# Altium PCB OMD_60V_REF_2.PcbDoc (part 4 of 6)
Units mm, origin at the board's own origin, x right, y up, seen from the top; angles counter-clockwise.
Board outline 71.95 x 71.94 mm, 6 copper layers (Top Layer, L2, L3, L4, L5, Bottom Layer), stack 2.309 mm thick; 139 components, 113 nets, 809 pads, 9892 vias.
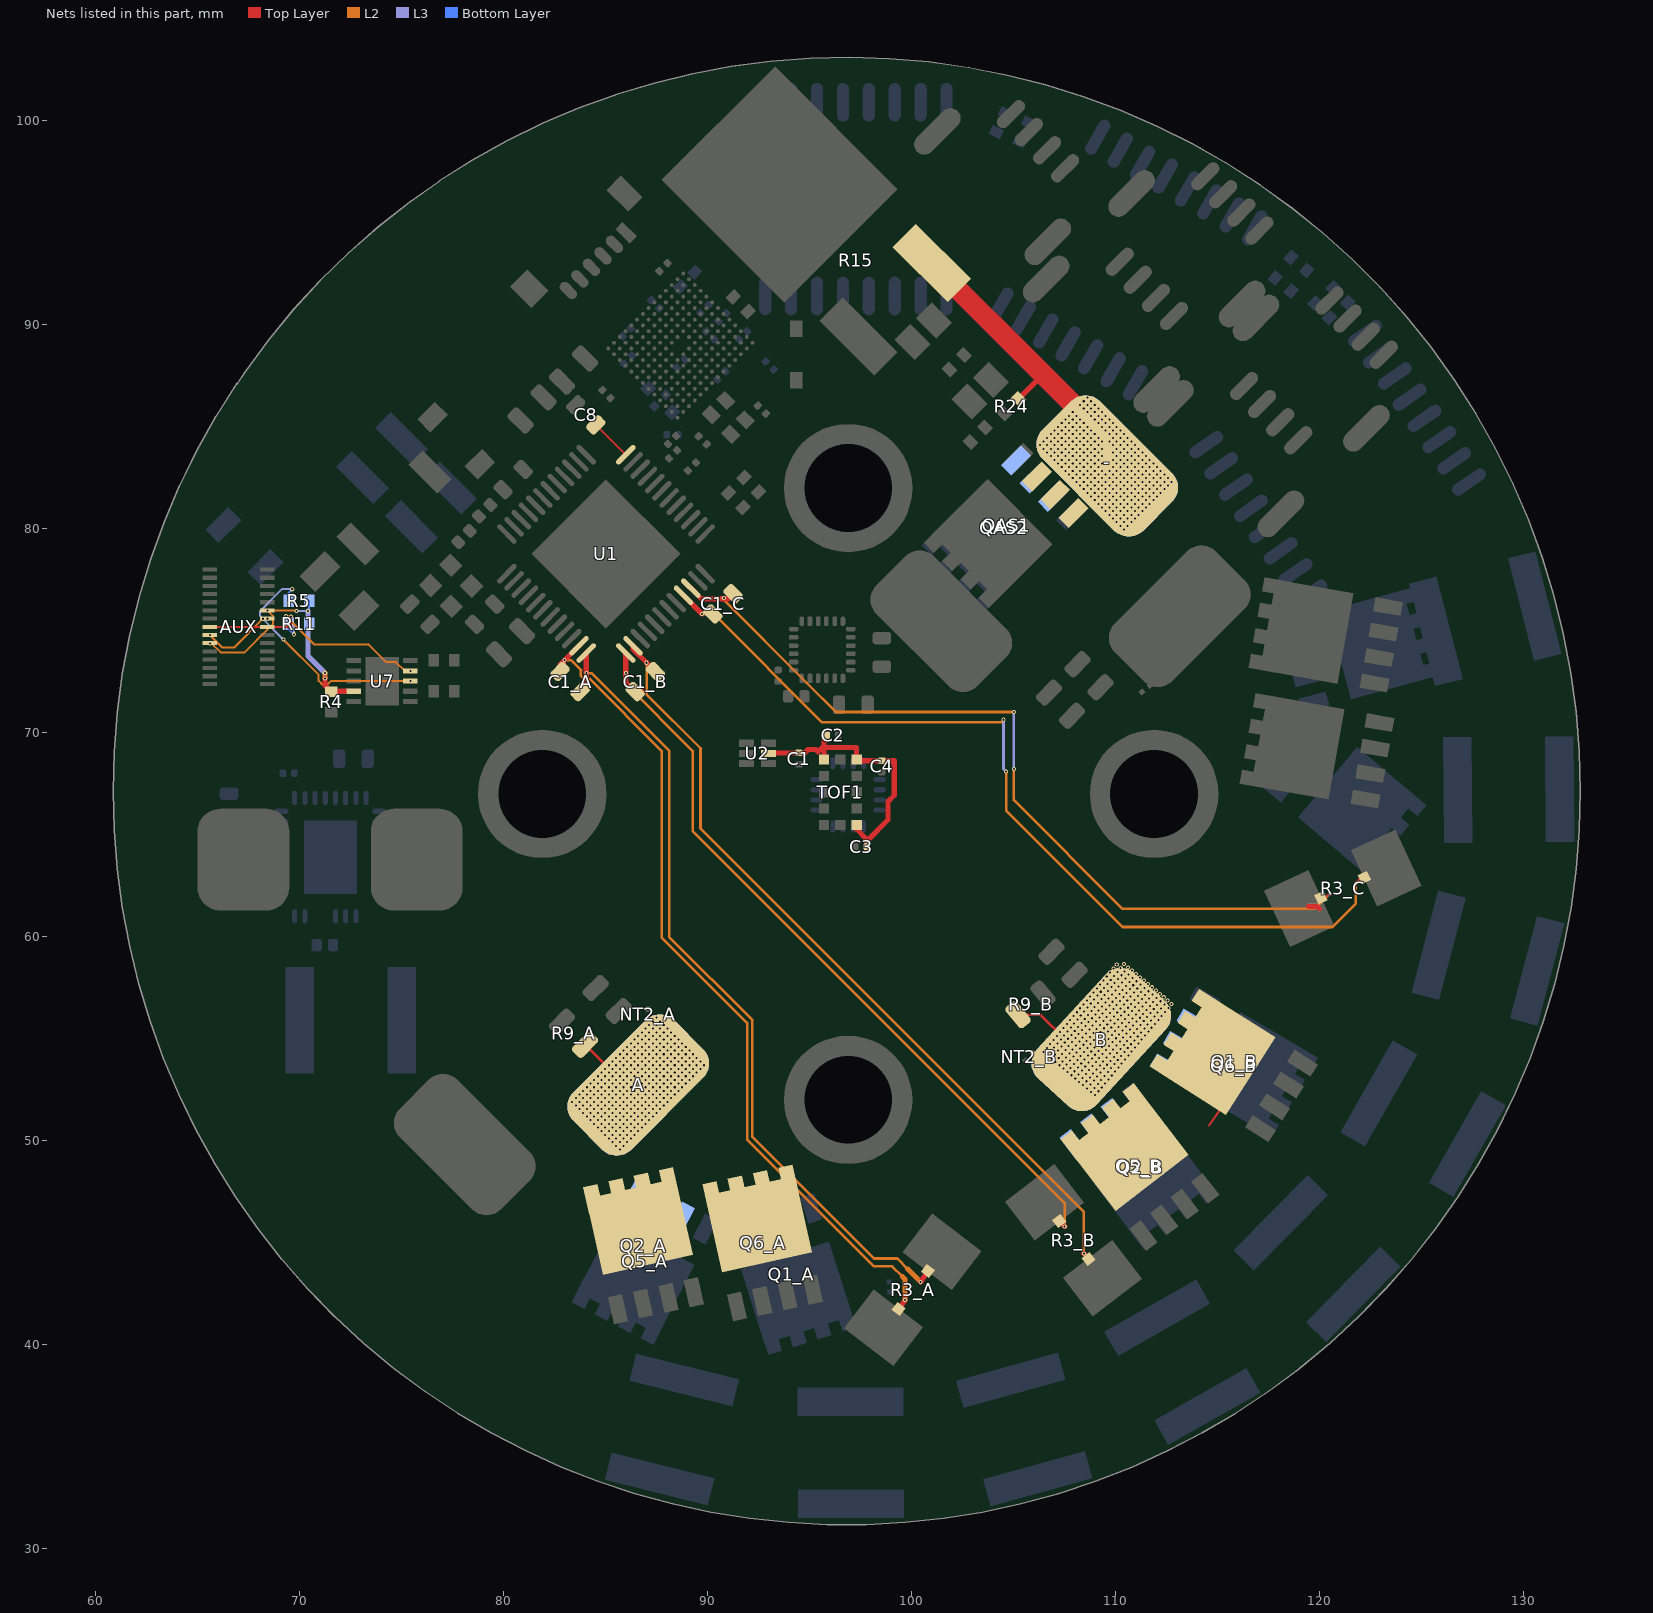
[diagram p8: the nets of this part, all layers, seen from the top]

## Via types
v1: diameter 0.2, hole 0.1, Top Layer to L2, tented both sides, 3354 vias
v2: diameter 0.2, hole 0.1, L2 to L3, tented both sides, 3246 vias
v3: diameter 0.2, hole 0.1, L3 to Bottom Layer, tented both sides, 3236 vias
v4: diameter 0.2, hole 0.1, L2 to L3, 40 vias
v5: diameter 0.2, hole 0.1, L3 to Bottom Layer, 8 vias
v6: diameter 0.2, hole 0.1, Top Layer to L2, 6 vias
v7: diameter 0.2, hole 0.1, Top Layer to L3, 2 vias

## Nets (pads, with @x,y where several pads share a name; then routed paths per layer and width w, separated by ;. In a path a pad name is that pad's centre, name@x,y a point inside that pad or via, vN(x,y) a via of type N, cw(c..) or ccw(c..) an arc to the next point about the centre after c; other vN are vias at no path point) (continued)
Net-_1: -.1 QAS1.S QAS2.S R15.3 R24.2 | length 15.2
  Top Layer w0.254: R24.2@105.261,86.338 106.462,87.539 ; -.1@109.601,83.058 -.1@109.601,84.4
  Top Layer w1: R15.3@101.001,93 106.462,87.539 -.1@109.601,84.4
  other v1: 110.43,79.943 110.25,80.123 110.61,80.123 110.071,80.302 110.43,80.302 110.789,80.302 109.891,80.482 110.25,80.482 110.61,80.482 110.969,80.482 109.711,80.662 110.071,80.662 110.43,80.662 110.789,80.662 111.148,80.662 109.532,80.841 109.891,80.841 110.25,80.841 110.61,80.841 110.969,80.841 111.328,80.841 109.352,81.021 109.711,81.021 110.071,81.021 110.43,81.021 110.789,81.021 111.148,81.021 111.508,81.021 109.173,81.2 109.532,81.2 109.891,81.2 110.25,81.2 110.61,81.2 110.969,81.2 111.328,81.2 111.687,81.2 108.993,81.38 109.352,81.38 109.711,81.38 110.071,81.38 110.43,81.38 110.789,81.38 111.148,81.38 111.508,81.38 111.867,81.38 108.813,81.56 109.173,81.56 109.532,81.56 109.891,81.56 110.25,81.56 110.61,81.56 110.969,81.56 111.328,81.56 111.687,81.56 112.046,81.56 108.634,81.739 108.993,81.739 109.352,81.739 109.711,81.739 110.071,81.739 110.43,81.739 110.789,81.739 111.148,81.739 111.508,81.739 111.867,81.739 112.226,81.739 108.454,81.919 108.813,81.919 109.173,81.919 109.532,81.919 109.891,81.919 110.25,81.919 110.61,81.919 110.969,81.919 111.328,81.919 111.687,81.919 112.046,81.919 112.406,81.919 108.275,82.098 108.634,82.098 108.993,82.098 109.352,82.098 109.711,82.098 110.071,82.098 110.43,82.098 110.789,82.098 111.148,82.098 111.508,82.098 111.867,82.098 112.226,82.098 112.585,82.098 108.095,82.278 108.454,82.278 108.813,82.278 109.173,82.278 109.532,82.278 109.891,82.278 110.25,82.278 110.61,82.278 110.969,82.278 111.328,82.278 111.687,82.278 112.046,82.278 112.406,82.278 112.765,82.278 107.915,82.458 108.275,82.458 108.634,82.458 108.993,82.458 109.352,82.458 109.711,82.458 110.071,82.458 110.43,82.458 110.789,82.458 111.148,82.458 111.508,82.458 111.867,82.458 112.226,82.458 112.585,82.458 107.736,82.637 108.095,82.637 108.454,82.637 108.813,82.637 109.173,82.637 109.532,82.637 109.891,82.637 110.25,82.637 110.61,82.637 110.969,82.637 111.328,82.637 111.687,82.637 112.046,82.637 112.406,82.637 107.556,82.817 107.915,82.817 108.275,82.817 108.634,82.817 108.993,82.817 109.352,82.817 109.711,82.817 110.071,82.817 110.43,82.817 110.789,82.817 111.148,82.817 111.508,82.817 111.867,82.817 112.226,82.817 107.377,82.996 107.736,82.996 108.095,82.996 108.454,82.996 108.813,82.996 109.173,82.996 109.891,82.996 110.25,82.996 110.61,82.996 110.969,82.996 111.328,82.996 111.687,82.996 112.046,82.996 107.197,83.176 107.556,83.176 107.915,83.176 108.275,83.176 108.634,83.176 108.993,83.176 109.352,83.176 110.071,83.176 110.43,83.176 110.789,83.176 111.148,83.176 111.508,83.176 111.867,83.176 107.017,83.356 107.377,83.356 107.736,83.356 108.095,83.356 108.454,83.356 108.813,83.356 109.173,83.356 109.891,83.356 110.25,83.356 110.61,83.356 110.969,83.356 111.328,83.356 111.687,83.356 106.838,83.535 107.197,83.535 107.556,83.535 107.915,83.535 108.275,83.535 108.634,83.535 108.993,83.535 109.352,83.535 110.071,83.535 110.43,83.535 110.789,83.535 111.148,83.535 111.508,83.535 106.658,83.715 107.017,83.715 107.377,83.715 107.736,83.715 108.095,83.715 108.454,83.715 108.813,83.715 109.173,83.715 109.891,83.715 110.25,83.715 110.61,83.715 110.969,83.715 111.328,83.715 106.479,83.894 106.838,83.894 107.197,83.894 107.556,83.894 107.915,83.894 108.275,83.894 108.634,83.894 108.993,83.894 109.352,83.894 110.071,83.894 110.43,83.894 110.789,83.894 111.148,83.894 106.299,84.074 106.658,84.074 107.017,84.074 107.377,84.074 107.736,84.074 108.095,84.074 108.454,84.074 108.813,84.074 109.173,84.074 109.891,84.074 110.25,84.074 110.61,84.074 110.969,84.074 106.479,84.254 106.838,84.254 107.197,84.254 107.556,84.254 107.915,84.254 108.275,84.254 108.634,84.254 108.993,84.254 109.352,84.254 109.711,84.254 110.071,84.254 110.43,84.254 110.789,84.254 106.658,84.433 107.017,84.433 107.377,84.433 107.736,84.433 108.095,84.433 108.454,84.433 108.813,84.433 109.173,84.433 109.891,84.433 110.25,84.433 110.61,84.433 106.838,84.613 107.197,84.613 107.556,84.613 107.915,84.613 108.275,84.613 108.634,84.613 108.993,84.613 109.711,84.613 110.071,84.613 110.43,84.613 107.017,84.792 107.377,84.792 107.736,84.792 108.095,84.792 108.454,84.792 108.813,84.792 109.532,84.792 109.891,84.792 110.25,84.792 107.197,84.972 107.556,84.972 107.915,84.972 108.275,84.972 108.634,84.972 109.352,84.972 109.711,84.972 110.071,84.972 107.377,85.152 107.736,85.152 108.095,85.152 108.454,85.152 109.173,85.152 109.532,85.152 109.891,85.152 107.556,85.331 107.915,85.331 108.275,85.331 108.993,85.331 109.352,85.331 109.711,85.331 107.736,85.511 108.095,85.511 108.813,85.511 109.173,85.511 109.532,85.511 107.915,85.69 108.634,85.69 108.993,85.69 109.352,85.69 108.454,85.87 108.813,85.87 109.173,85.87 108.275,86.05 108.634,86.05 108.993,86.05 108.454,86.229 108.813,86.229 108.634,86.409
  other v2: 110.43,79.943 110.25,80.123 110.61,80.123 110.071,80.302 110.43,80.302 110.789,80.302 109.891,80.482 110.25,80.482 110.61,80.482 110.969,80.482 109.711,80.662 110.071,80.662 110.43,80.662 110.789,80.662 111.148,80.662 109.532,80.841 109.891,80.841 110.25,80.841 110.61,80.841 110.969,80.841 111.328,80.841 109.352,81.021 109.711,81.021 110.071,81.021 110.43,81.021 110.789,81.021 111.148,81.021 111.508,81.021 109.173,81.2 109.532,81.2 109.891,81.2 110.25,81.2 110.61,81.2 110.969,81.2 111.328,81.2 111.687,81.2 108.993,81.38 109.352,81.38 109.711,81.38 110.071,81.38 110.43,81.38 110.789,81.38 111.148,81.38 111.508,81.38 111.867,81.38 108.813,81.56 109.173,81.56 109.532,81.56 109.891,81.56 110.25,81.56 110.61,81.56 110.969,81.56 111.328,81.56 111.687,81.56 112.046,81.56 108.634,81.739 108.993,81.739 109.352,81.739 109.711,81.739 110.071,81.739 110.43,81.739 110.789,81.739 111.148,81.739 111.508,81.739 111.867,81.739 112.226,81.739 108.454,81.919 108.813,81.919 109.173,81.919 109.532,81.919 109.891,81.919 110.25,81.919 110.61,81.919 110.969,81.919 111.328,81.919 111.687,81.919 112.046,81.919 112.406,81.919 108.275,82.098 108.634,82.098 108.993,82.098 109.352,82.098 109.711,82.098 110.071,82.098 110.43,82.098 110.789,82.098 111.148,82.098 111.508,82.098 111.867,82.098 112.226,82.098 112.585,82.098 108.095,82.278 108.454,82.278 108.813,82.278 109.173,82.278 109.532,82.278 109.891,82.278 110.25,82.278 110.61,82.278 110.969,82.278 111.328,82.278 111.687,82.278 112.046,82.278 112.406,82.278 112.765,82.278 107.915,82.458 108.275,82.458 108.634,82.458 108.993,82.458 109.352,82.458 109.711,82.458 110.071,82.458 110.43,82.458 110.789,82.458 111.148,82.458 111.508,82.458 111.867,82.458 112.226,82.458 112.585,82.458 107.736,82.637 108.095,82.637 108.454,82.637 108.813,82.637 109.173,82.637 109.532,82.637 109.891,82.637 110.25,82.637 110.61,82.637 110.969,82.637 111.328,82.637 111.687,82.637 112.046,82.637 112.406,82.637 107.556,82.817 107.915,82.817 108.275,82.817 108.634,82.817 108.993,82.817 109.352,82.817 109.711,82.817 110.071,82.817 110.43,82.817 110.789,82.817 111.148,82.817 111.508,82.817 111.867,82.817 112.226,82.817 107.377,82.996 107.736,82.996 108.095,82.996 108.454,82.996 108.813,82.996 109.173,82.996 109.891,82.996 110.25,82.996 110.61,82.996 110.969,82.996 111.328,82.996 111.687,82.996 112.046,82.996 107.197,83.176 107.556,83.176 107.915,83.176 108.275,83.176 108.634,83.176 108.993,83.176 109.352,83.176 110.071,83.176 110.43,83.176 110.789,83.176 111.148,83.176 111.508,83.176 111.867,83.176 107.017,83.356 107.377,83.356 107.736,83.356 108.095,83.356 108.454,83.356 108.813,83.356 109.173,83.356 109.891,83.356 110.25,83.356 110.61,83.356 110.969,83.356 111.328,83.356 111.687,83.356 106.838,83.535 107.197,83.535 107.556,83.535 107.915,83.535 108.275,83.535 108.634,83.535 108.993,83.535 109.352,83.535 110.071,83.535 110.43,83.535 110.789,83.535 111.148,83.535 111.508,83.535 106.658,83.715 107.017,83.715 107.377,83.715 107.736,83.715 108.095,83.715 108.454,83.715 108.813,83.715 109.173,83.715 109.891,83.715 110.25,83.715 110.61,83.715 110.969,83.715 111.328,83.715 106.479,83.894 106.838,83.894 107.197,83.894 107.556,83.894 107.915,83.894 108.275,83.894 108.634,83.894 108.993,83.894 109.352,83.894 110.071,83.894 110.43,83.894 110.789,83.894 111.148,83.894 106.299,84.074 106.658,84.074 107.017,84.074 107.377,84.074 107.736,84.074 108.095,84.074 108.454,84.074 108.813,84.074 109.173,84.074 109.891,84.074 110.25,84.074 110.61,84.074 110.969,84.074 106.479,84.254 106.838,84.254 107.197,84.254 107.556,84.254 107.915,84.254 108.275,84.254 108.634,84.254 108.993,84.254 109.352,84.254 109.711,84.254 110.071,84.254 110.43,84.254 110.789,84.254 106.658,84.433 107.017,84.433 107.377,84.433 107.736,84.433 108.095,84.433 108.454,84.433 108.813,84.433 109.173,84.433 109.891,84.433 110.25,84.433 110.61,84.433 106.838,84.613 107.197,84.613 107.556,84.613 107.915,84.613 108.275,84.613 108.634,84.613 108.993,84.613 109.711,84.613 110.071,84.613 110.43,84.613 107.017,84.792 107.377,84.792 107.736,84.792 108.095,84.792 108.454,84.792 108.813,84.792 109.532,84.792 109.891,84.792 110.25,84.792 107.197,84.972 107.556,84.972 107.915,84.972 108.275,84.972 108.634,84.972 109.352,84.972 109.711,84.972 110.071,84.972 107.377,85.152 107.736,85.152 108.095,85.152 108.454,85.152 109.173,85.152 109.532,85.152 109.891,85.152 107.556,85.331 107.915,85.331 108.275,85.331 108.993,85.331 109.352,85.331 109.711,85.331 107.736,85.511 108.095,85.511 108.813,85.511 109.173,85.511 109.532,85.511 107.915,85.69 108.634,85.69 108.993,85.69 109.352,85.69 108.454,85.87 108.813,85.87 109.173,85.87 108.275,86.05 108.634,86.05 108.993,86.05 108.454,86.229 108.813,86.229 108.634,86.409
  other v3: 110.43,79.943 110.25,80.123 110.61,80.123 110.071,80.302 110.43,80.302 110.789,80.302 109.891,80.482 110.25,80.482 110.61,80.482 110.969,80.482 109.711,80.662 110.071,80.662 110.43,80.662 110.789,80.662 111.148,80.662 109.532,80.841 109.891,80.841 110.25,80.841 110.61,80.841 110.969,80.841 111.328,80.841 109.352,81.021 109.711,81.021 110.071,81.021 110.43,81.021 110.789,81.021 111.148,81.021 111.508,81.021 109.173,81.2 109.532,81.2 109.891,81.2 110.25,81.2 110.61,81.2 110.969,81.2 111.328,81.2 111.687,81.2 108.993,81.38 109.352,81.38 109.711,81.38 110.071,81.38 110.43,81.38 110.789,81.38 111.148,81.38 111.508,81.38 111.867,81.38 108.813,81.56 109.173,81.56 109.532,81.56 109.891,81.56 110.25,81.56 110.61,81.56 110.969,81.56 111.328,81.56 111.687,81.56 112.046,81.56 108.634,81.739 108.993,81.739 109.352,81.739 109.711,81.739 110.071,81.739 110.43,81.739 110.789,81.739 111.148,81.739 111.508,81.739 111.867,81.739 112.226,81.739 108.454,81.919 108.813,81.919 109.173,81.919 109.532,81.919 109.891,81.919 110.25,81.919 110.61,81.919 110.969,81.919 111.328,81.919 111.687,81.919 112.046,81.919 112.406,81.919 108.275,82.098 108.634,82.098 108.993,82.098 109.352,82.098 109.711,82.098 110.071,82.098 110.43,82.098 110.789,82.098 111.148,82.098 111.508,82.098 111.867,82.098 112.226,82.098 112.585,82.098 108.095,82.278 108.454,82.278 108.813,82.278 109.173,82.278 109.532,82.278 109.891,82.278 110.25,82.278 110.61,82.278 110.969,82.278 111.328,82.278 111.687,82.278 112.046,82.278 112.406,82.278 112.765,82.278 107.915,82.458 108.275,82.458 108.634,82.458 108.993,82.458 109.352,82.458 109.711,82.458 110.071,82.458 110.43,82.458 110.789,82.458 111.148,82.458 111.508,82.458 111.867,82.458 112.226,82.458 112.585,82.458 107.736,82.637 108.095,82.637 108.454,82.637 108.813,82.637 109.173,82.637 109.532,82.637 109.891,82.637 110.25,82.637 110.61,82.637 110.969,82.637 111.328,82.637 111.687,82.637 112.046,82.637 112.406,82.637 107.556,82.817 107.915,82.817 108.275,82.817 108.634,82.817 108.993,82.817 109.352,82.817 109.711,82.817 110.071,82.817 110.43,82.817 110.789,82.817 111.148,82.817 111.508,82.817 111.867,82.817 112.226,82.817 107.377,82.996 107.736,82.996 108.095,82.996 108.454,82.996 108.813,82.996 109.173,82.996 109.891,82.996 110.25,82.996 110.61,82.996 110.969,82.996 111.328,82.996 111.687,82.996 112.046,82.996 107.197,83.176 107.556,83.176 107.915,83.176 108.275,83.176 108.634,83.176 108.993,83.176 109.352,83.176 110.071,83.176 110.43,83.176 110.789,83.176 111.148,83.176 111.508,83.176 111.867,83.176 107.017,83.356 107.377,83.356 107.736,83.356 108.095,83.356 108.454,83.356 108.813,83.356 109.173,83.356 109.891,83.356 110.25,83.356 110.61,83.356 110.969,83.356 111.328,83.356 111.687,83.356 106.838,83.535 107.197,83.535 107.556,83.535 107.915,83.535 108.275,83.535 108.634,83.535 108.993,83.535 109.352,83.535 110.071,83.535 110.43,83.535 110.789,83.535 111.148,83.535 111.508,83.535 106.658,83.715 107.017,83.715 107.377,83.715 107.736,83.715 108.095,83.715 108.454,83.715 108.813,83.715 109.173,83.715 109.891,83.715 110.25,83.715 110.61,83.715 110.969,83.715 111.328,83.715 106.479,83.894 106.838,83.894 107.197,83.894 107.556,83.894 107.915,83.894 108.275,83.894 108.634,83.894 108.993,83.894 109.352,83.894 110.071,83.894 110.43,83.894 110.789,83.894 111.148,83.894 106.299,84.074 106.658,84.074 107.017,84.074 107.377,84.074 107.736,84.074 108.095,84.074 108.454,84.074 108.813,84.074 109.173,84.074 109.891,84.074 110.25,84.074 110.61,84.074 110.969,84.074 106.479,84.254 106.838,84.254 107.197,84.254 107.556,84.254 107.915,84.254 108.275,84.254 108.634,84.254 108.993,84.254 109.352,84.254 109.711,84.254 110.071,84.254 110.43,84.254 110.789,84.254 106.658,84.433 107.017,84.433 107.377,84.433 107.736,84.433 108.095,84.433 108.454,84.433 108.813,84.433 109.173,84.433 109.891,84.433 110.25,84.433 110.61,84.433 106.838,84.613 107.197,84.613 107.556,84.613 107.915,84.613 108.275,84.613 108.634,84.613 108.993,84.613 109.711,84.613 110.071,84.613 110.43,84.613 107.017,84.792 107.377,84.792 107.736,84.792 108.095,84.792 108.454,84.792 108.813,84.792 109.532,84.792 109.891,84.792 110.25,84.792 107.197,84.972 107.556,84.972 107.915,84.972 108.275,84.972 108.634,84.972 109.352,84.972 109.711,84.972 110.071,84.972 107.377,85.152 107.736,85.152 108.095,85.152 108.454,85.152 109.173,85.152 109.532,85.152 109.891,85.152 107.556,85.331 107.915,85.331 108.275,85.331 108.993,85.331 109.352,85.331 109.711,85.331 107.736,85.511 108.095,85.511 108.813,85.511 109.173,85.511 109.532,85.511 107.915,85.69 108.634,85.69 108.993,85.69 109.352,85.69 108.454,85.87 108.813,85.87 109.173,85.87 108.275,86.05 108.634,86.05 108.993,86.05 108.454,86.229 108.813,86.229 108.634,86.409
NetA_1: A.1 NT2_A.2 Q1_A.S Q2_A.D Q5_A.S Q6_A.D R9_A.2 | length 2
  Top Layer w0.127: R9_A.2@84.005,54.679 85.267,53.417 A.1@85.267,53.154
  other v1: 85.707,49.541 85.527,49.721 85.887,49.721 85.348,49.9 85.707,49.9 86.066,49.9 85.168,50.08 85.527,50.08 85.887,50.08 86.246,50.08 84.989,50.26 85.348,50.26 85.707,50.26 86.066,50.26 86.425,50.26 84.809,50.439 85.168,50.439 85.527,50.439 85.887,50.439 86.246,50.439 86.605,50.439 84.629,50.619 84.989,50.619 85.348,50.619 85.707,50.619 86.066,50.619 86.425,50.619 86.785,50.619 84.45,50.798 84.809,50.798 85.168,50.798 85.527,50.798 85.887,50.798 86.246,50.798 86.605,50.798 86.964,50.798 84.27,50.978 84.629,50.978 84.989,50.978 85.348,50.978 85.707,50.978 86.066,50.978 86.425,50.978 86.785,50.978 87.144,50.978 84.091,51.158 84.45,51.158 84.809,51.158 85.168,51.158 85.527,51.158 85.887,51.158 86.246,51.158 86.605,51.158 86.964,51.158 87.323,51.158 83.911,51.337 84.27,51.337 84.629,51.337 84.989,51.337 85.348,51.337 85.707,51.337 86.066,51.337 86.425,51.337 86.785,51.337 87.144,51.337 87.503,51.337 83.731,51.517 84.091,51.517 84.45,51.517 84.809,51.517 85.168,51.517 85.527,51.517 85.887,51.517 86.246,51.517 86.605,51.517 86.964,51.517 87.323,51.517 87.683,51.517 83.552,51.696 83.911,51.696 84.27,51.696 84.629,51.696 84.989,51.696 85.348,51.696 85.707,51.696 86.066,51.696 86.425,51.696 86.785,51.696 87.144,51.696 87.503,51.696 87.862,51.696 83.372,51.876 83.731,51.876 84.091,51.876 84.45,51.876 84.809,51.876 85.168,51.876 85.527,51.876 85.887,51.876 86.246,51.876 86.605,51.876 86.964,51.876 87.323,51.876 87.683,51.876 88.042,51.876 83.552,52.056 83.911,52.056 84.27,52.056 84.629,52.056 84.989,52.056 85.348,52.056 85.707,52.056 86.066,52.056 86.425,52.056 86.785,52.056 87.144,52.056 87.503,52.056 87.862,52.056 88.221,52.056 83.731,52.235 84.091,52.235 84.45,52.235 84.809,52.235 85.168,52.235 85.527,52.235 85.887,52.235 86.246,52.235 86.605,52.235 86.964,52.235 87.323,52.235 87.683,52.235 88.042,52.235 88.401,52.235 83.911,52.415 84.27,52.415 84.629,52.415 84.989,52.415 85.348,52.415 85.707,52.415 86.066,52.415 86.425,52.415 86.785,52.415 87.144,52.415 87.503,52.415 87.862,52.415 88.221,52.415 88.581,52.415 84.091,52.595 84.45,52.595 84.809,52.595 85.168,52.595 85.527,52.595 85.887,52.595 86.246,52.595 86.605,52.595 86.964,52.595 87.323,52.595 87.683,52.595 88.042,52.595 88.401,52.595 88.76,52.595 84.27,52.774 84.629,52.774 84.989,52.774 85.348,52.774 85.707,52.774 86.066,52.774 86.425,52.774 86.785,52.774 87.144,52.774 87.503,52.774 87.862,52.774 88.221,52.774 88.581,52.774 88.94,52.774 84.45,52.954 84.809,52.954 85.168,52.954 85.527,52.954 85.887,52.954 86.246,52.954 86.605,52.954 86.964,52.954 87.323,52.954 87.683,52.954 88.042,52.954 88.401,52.954 88.76,52.954 89.119,52.954 84.629,53.133 84.989,53.133 85.348,53.133 85.707,53.133 86.066,53.133 86.425,53.133 86.785,53.133 87.144,53.133 87.503,53.133 87.862,53.133 88.221,53.133 88.581,53.133 88.94,53.133 89.299,53.133 84.809,53.313 85.168,53.313 85.527,53.313 85.887,53.313 86.246,53.313 86.605,53.313 86.964,53.313 87.323,53.313 87.683,53.313 88.042,53.313 88.401,53.313 88.76,53.313 89.119,53.313 89.479,53.313 84.989,53.493 85.348,53.493 85.707,53.493 86.066,53.493 86.425,53.493 86.785,53.493 87.144,53.493 87.503,53.493 87.862,53.493 88.221,53.493 88.581,53.493 88.94,53.493 89.299,53.493 89.658,53.493 85.168,53.672 85.527,53.672 85.887,53.672 86.246,53.672 86.605,53.672 86.964,53.672 87.323,53.672 87.683,53.672 88.042,53.672 88.401,53.672 88.76,53.672 89.119,53.672 89.479,53.672 89.838,53.672 85.348,53.852 85.707,53.852 86.066,53.852 86.425,53.852 86.785,53.852 87.144,53.852 87.503,53.852 87.862,53.852 88.221,53.852 88.581,53.852 88.94,53.852 89.299,53.852 89.658,53.852 85.527,54.031 85.887,54.031 86.246,54.031 86.605,54.031 86.964,54.031 87.323,54.031 87.683,54.031 88.042,54.031 88.401,54.031 88.76,54.031 89.119,54.031 89.479,54.031 85.707,54.211 86.066,54.211 86.425,54.211 86.785,54.211 87.144,54.211 87.503,54.211 87.862,54.211 88.221,54.211 88.581,54.211 88.94,54.211 89.299,54.211 85.887,54.391 86.246,54.391 86.605,54.391 86.964,54.391 87.323,54.391 87.683,54.391 88.042,54.391 88.401,54.391 88.76,54.391 89.119,54.391 86.066,54.57 86.425,54.57 86.785,54.57 87.144,54.57 87.503,54.57 87.862,54.57 88.221,54.57 88.581,54.57 88.94,54.57 86.246,54.75 86.605,54.75 86.964,54.75 87.323,54.75 87.683,54.75 88.042,54.75 88.401,54.75 88.76,54.75 86.425,54.929 86.785,54.929 87.144,54.929 87.503,54.929 87.862,54.929 88.221,54.929 88.581,54.929 86.605,55.109 86.964,55.109 87.323,55.109 87.683,55.109 88.042,55.109 88.401,55.109 86.785,55.289 87.144,55.289 87.503,55.289 87.862,55.289 88.221,55.289 86.964,55.468 87.323,55.468 87.683,55.468 88.042,55.468 87.144,55.648 87.503,55.648 87.862,55.648 87.323,55.827 87.683,55.827 87.503,56.007
  other v2: 85.707,49.541 85.527,49.721 85.887,49.721 85.348,49.9 85.707,49.9 86.066,49.9 85.168,50.08 85.527,50.08 85.887,50.08 86.246,50.08 84.989,50.26 85.348,50.26 85.707,50.26 86.066,50.26 86.425,50.26 84.809,50.439 85.168,50.439 85.527,50.439 85.887,50.439 86.246,50.439 86.605,50.439 84.629,50.619 84.989,50.619 85.348,50.619 85.707,50.619 86.066,50.619 86.425,50.619 86.785,50.619 84.45,50.798 84.809,50.798 85.168,50.798 85.527,50.798 85.887,50.798 86.246,50.798 86.605,50.798 86.964,50.798 84.27,50.978 84.629,50.978 84.989,50.978 85.348,50.978 85.707,50.978 86.066,50.978 86.425,50.978 86.785,50.978 87.144,50.978 84.091,51.158 84.45,51.158 84.809,51.158 85.168,51.158 85.527,51.158 85.887,51.158 86.246,51.158 86.605,51.158 86.964,51.158 87.323,51.158 83.911,51.337 84.27,51.337 84.629,51.337 84.989,51.337 85.348,51.337 85.707,51.337 86.066,51.337 86.425,51.337 86.785,51.337 87.144,51.337 87.503,51.337 83.731,51.517 84.091,51.517 84.45,51.517 84.809,51.517 85.168,51.517 85.527,51.517 85.887,51.517 86.246,51.517 86.605,51.517 86.964,51.517 87.323,51.517 87.683,51.517 83.552,51.696 83.911,51.696 84.27,51.696 84.629,51.696 84.989,51.696 85.348,51.696 85.707,51.696 86.066,51.696 86.425,51.696 86.785,51.696 87.144,51.696 87.503,51.696 87.862,51.696 83.372,51.876 83.731,51.876 84.091,51.876 84.45,51.876 84.809,51.876 85.168,51.876 85.527,51.876 85.887,51.876 86.246,51.876 86.605,51.876 86.964,51.876 87.323,51.876 87.683,51.876 88.042,51.876 83.552,52.056 83.911,52.056 84.27,52.056 84.629,52.056 84.989,52.056 85.348,52.056 85.707,52.056 86.066,52.056 86.425,52.056 86.785,52.056 87.144,52.056 87.503,52.056 87.862,52.056 88.221,52.056 83.731,52.235 84.091,52.235 84.45,52.235 84.809,52.235 85.168,52.235 85.527,52.235 85.887,52.235 86.246,52.235 86.605,52.235 86.964,52.235 87.323,52.235 87.683,52.235 88.042,52.235 88.401,52.235 83.911,52.415 84.27,52.415 84.629,52.415 84.989,52.415 85.348,52.415 85.707,52.415 86.066,52.415 86.425,52.415 86.785,52.415 87.144,52.415 87.503,52.415 87.862,52.415 88.221,52.415 88.581,52.415 84.091,52.595 84.45,52.595 84.809,52.595 85.168,52.595 85.527,52.595 85.887,52.595 86.246,52.595 86.605,52.595 86.964,52.595 87.323,52.595 87.683,52.595 88.042,52.595 88.401,52.595 88.76,52.595 84.27,52.774 84.629,52.774 84.989,52.774 85.348,52.774 85.707,52.774 86.066,52.774 86.425,52.774 86.785,52.774 87.144,52.774 87.503,52.774 87.862,52.774 88.221,52.774 88.581,52.774 88.94,52.774 84.45,52.954 84.809,52.954 85.168,52.954 85.527,52.954 85.887,52.954 86.246,52.954 86.605,52.954 86.964,52.954 87.323,52.954 87.683,52.954 88.042,52.954 88.401,52.954 88.76,52.954 89.119,52.954 84.629,53.133 84.989,53.133 85.348,53.133 85.707,53.133 86.066,53.133 86.425,53.133 86.785,53.133 87.144,53.133 87.503,53.133 87.862,53.133 88.221,53.133 88.581,53.133 88.94,53.133 89.299,53.133 84.809,53.313 85.168,53.313 85.527,53.313 85.887,53.313 86.246,53.313 86.605,53.313 86.964,53.313 87.323,53.313 87.683,53.313 88.042,53.313 88.401,53.313 88.76,53.313 89.119,53.313 89.479,53.313 84.989,53.493 85.348,53.493 85.707,53.493 86.066,53.493 86.425,53.493 86.785,53.493 87.144,53.493 87.503,53.493 87.862,53.493 88.221,53.493 88.581,53.493 88.94,53.493 89.299,53.493 89.658,53.493 85.168,53.672 85.527,53.672 85.887,53.672 86.246,53.672 86.605,53.672 86.964,53.672 87.323,53.672 87.683,53.672 88.042,53.672 88.401,53.672 88.76,53.672 89.119,53.672 89.479,53.672 89.838,53.672 85.348,53.852 85.707,53.852 86.066,53.852 86.425,53.852 86.785,53.852 87.144,53.852 87.503,53.852 87.862,53.852 88.221,53.852 88.581,53.852 88.94,53.852 89.299,53.852 89.658,53.852 85.527,54.031 85.887,54.031 86.246,54.031 86.605,54.031 86.964,54.031 87.323,54.031 87.683,54.031 88.042,54.031 88.401,54.031 88.76,54.031 89.119,54.031 89.479,54.031 85.707,54.211 86.066,54.211 86.425,54.211 86.785,54.211 87.144,54.211 87.503,54.211 87.862,54.211 88.221,54.211 88.581,54.211 88.94,54.211 89.299,54.211 85.887,54.391 86.246,54.391 86.605,54.391 86.964,54.391 87.323,54.391 87.683,54.391 88.042,54.391 88.401,54.391 88.76,54.391 89.119,54.391 86.066,54.57 86.425,54.57 86.785,54.57 87.144,54.57 87.503,54.57 87.862,54.57 88.221,54.57 88.581,54.57 88.94,54.57 86.246,54.75 86.605,54.75 86.964,54.75 87.323,54.75 87.683,54.75 88.042,54.75 88.401,54.75 88.76,54.75 86.425,54.929 86.785,54.929 87.144,54.929 87.503,54.929 87.862,54.929 88.221,54.929 88.581,54.929 86.605,55.109 86.964,55.109 87.323,55.109 87.683,55.109 88.042,55.109 88.401,55.109 86.785,55.289 87.144,55.289 87.503,55.289 87.862,55.289 88.221,55.289 86.964,55.468 87.323,55.468 87.683,55.468 88.042,55.468 87.144,55.648 87.503,55.648 87.862,55.648 87.323,55.827 87.683,55.827 87.503,56.007
  other v3: 85.707,49.541 85.527,49.721 85.887,49.721 85.348,49.9 85.707,49.9 86.066,49.9 85.168,50.08 85.527,50.08 85.887,50.08 86.246,50.08 84.989,50.26 85.348,50.26 85.707,50.26 86.066,50.26 86.425,50.26 84.809,50.439 85.168,50.439 85.527,50.439 85.887,50.439 86.246,50.439 86.605,50.439 84.629,50.619 84.989,50.619 85.348,50.619 85.707,50.619 86.066,50.619 86.425,50.619 86.785,50.619 84.45,50.798 84.809,50.798 85.168,50.798 85.527,50.798 85.887,50.798 86.246,50.798 86.605,50.798 86.964,50.798 84.27,50.978 84.629,50.978 84.989,50.978 85.348,50.978 85.707,50.978 86.066,50.978 86.425,50.978 86.785,50.978 87.144,50.978 84.091,51.158 84.45,51.158 84.809,51.158 85.168,51.158 85.527,51.158 85.887,51.158 86.246,51.158 86.605,51.158 86.964,51.158 87.323,51.158 83.911,51.337 84.27,51.337 84.629,51.337 84.989,51.337 85.348,51.337 85.707,51.337 86.066,51.337 86.425,51.337 86.785,51.337 87.144,51.337 87.503,51.337 83.731,51.517 84.091,51.517 84.45,51.517 84.809,51.517 85.168,51.517 85.527,51.517 85.887,51.517 86.246,51.517 86.605,51.517 86.964,51.517 87.323,51.517 87.683,51.517 83.552,51.696 83.911,51.696 84.27,51.696 84.629,51.696 84.989,51.696 85.348,51.696 85.707,51.696 86.066,51.696 86.425,51.696 86.785,51.696 87.144,51.696 87.503,51.696 87.862,51.696 83.372,51.876 83.731,51.876 84.091,51.876 84.45,51.876 84.809,51.876 85.168,51.876 85.527,51.876 85.887,51.876 86.246,51.876 86.605,51.876 86.964,51.876 87.323,51.876 87.683,51.876 88.042,51.876 83.552,52.056 83.911,52.056 84.27,52.056 84.629,52.056 84.989,52.056 85.348,52.056 85.707,52.056 86.066,52.056 86.425,52.056 86.785,52.056 87.144,52.056 87.503,52.056 87.862,52.056 88.221,52.056 83.731,52.235 84.091,52.235 84.45,52.235 84.809,52.235 85.168,52.235 85.527,52.235 85.887,52.235 86.246,52.235 86.605,52.235 86.964,52.235 87.323,52.235 87.683,52.235 88.042,52.235 88.401,52.235 83.911,52.415 84.27,52.415 84.629,52.415 84.989,52.415 85.348,52.415 85.707,52.415 86.066,52.415 86.425,52.415 86.785,52.415 87.144,52.415 87.503,52.415 87.862,52.415 88.221,52.415 88.581,52.415 84.091,52.595 84.45,52.595 84.809,52.595 85.168,52.595 85.527,52.595 85.887,52.595 86.246,52.595 86.605,52.595 86.964,52.595 87.323,52.595 87.683,52.595 88.042,52.595 88.401,52.595 88.76,52.595 84.27,52.774 84.629,52.774 84.989,52.774 85.348,52.774 85.707,52.774 86.066,52.774 86.425,52.774 86.785,52.774 87.144,52.774 87.503,52.774 87.862,52.774 88.221,52.774 88.581,52.774 88.94,52.774 84.45,52.954 84.809,52.954 85.168,52.954 85.527,52.954 85.887,52.954 86.246,52.954 86.605,52.954 86.964,52.954 87.323,52.954 87.683,52.954 88.042,52.954 88.401,52.954 88.76,52.954 89.119,52.954 84.629,53.133 84.989,53.133 85.348,53.133 85.707,53.133 86.066,53.133 86.425,53.133 86.785,53.133 87.144,53.133 87.503,53.133 87.862,53.133 88.221,53.133 88.581,53.133 88.94,53.133 89.299,53.133 84.809,53.313 85.168,53.313 85.527,53.313 85.887,53.313 86.246,53.313 86.605,53.313 86.964,53.313 87.323,53.313 87.683,53.313 88.042,53.313 88.401,53.313 88.76,53.313 89.119,53.313 89.479,53.313 84.989,53.493 85.348,53.493 85.707,53.493 86.066,53.493 86.425,53.493 86.785,53.493 87.144,53.493 87.503,53.493 87.862,53.493 88.221,53.493 88.581,53.493 88.94,53.493 89.299,53.493 89.658,53.493 85.168,53.672 85.527,53.672 85.887,53.672 86.246,53.672 86.605,53.672 86.964,53.672 87.323,53.672 87.683,53.672 88.042,53.672 88.401,53.672 88.76,53.672 89.119,53.672 89.479,53.672 89.838,53.672 85.348,53.852 85.707,53.852 86.066,53.852 86.425,53.852 86.785,53.852 87.144,53.852 87.503,53.852 87.862,53.852 88.221,53.852 88.581,53.852 88.94,53.852 89.299,53.852 89.658,53.852 85.527,54.031 85.887,54.031 86.246,54.031 86.605,54.031 86.964,54.031 87.323,54.031 87.683,54.031 88.042,54.031 88.401,54.031 88.76,54.031 89.119,54.031 89.479,54.031 85.707,54.211 86.066,54.211 86.425,54.211 86.785,54.211 87.144,54.211 87.503,54.211 87.862,54.211 88.221,54.211 88.581,54.211 88.94,54.211 89.299,54.211 85.887,54.391 86.246,54.391 86.605,54.391 86.964,54.391 87.323,54.391 87.683,54.391 88.042,54.391 88.401,54.391 88.76,54.391 89.119,54.391 86.066,54.57 86.425,54.57 86.785,54.57 87.144,54.57 87.503,54.57 87.862,54.57 88.221,54.57 88.581,54.57 88.94,54.57 86.246,54.75 86.605,54.75 86.964,54.75 87.323,54.75 87.683,54.75 88.042,54.75 88.401,54.75 88.76,54.75 86.425,54.929 86.785,54.929 87.144,54.929 87.503,54.929 87.862,54.929 88.221,54.929 88.581,54.929 86.605,55.109 86.964,55.109 87.323,55.109 87.683,55.109 88.042,55.109 88.401,55.109 86.785,55.289 87.144,55.289 87.503,55.289 87.862,55.289 88.221,55.289 86.964,55.468 87.323,55.468 87.683,55.468 88.042,55.468 87.144,55.648 87.503,55.648 87.862,55.648 87.323,55.827 87.683,55.827 87.503,56.007
NetAUX_11: AUX.11 AUX.20 R4.1 R5.1 R11.1 U7.4 | length 13.4
  Top Layer w0.1: v1(65.606,74.348) AUX.11@65.606,74.368 ; AUX.20@68.428,75.968 v1(68.428,75.971)
  Top Layer w0.254: v1(71.247,72.644) 71.247,72.298 R4.1@71.552,71.993 71.568,72.009 U7.4@72.668,72.009
  L2 w0.1: v1(65.606,74.348) 65.705,74.348 66.135,73.918 67.314,73.918 67.922,74.526 67.922,74.537 68.084,74.699 68.095,74.699 68.707,75.311 68.707,75.692 v1(68.428,75.971) 69.825,75.971 v2(69.85,75.946)
  L2 w0.254: v1(71.247,72.644) v2(71.247,72.898)
  L3 w0.1: v2(69.85,75.946) v3(70.413,75.946)
  L3 w0.254: v3(70.413,75.946) 70.413,73.732 v2(71.247,72.898)
  Bottom Layer w0.1: v3(70.413,75.946) v3@70.477,75.882 ; R11.1@70.477,75.311 v3@70.477,75.882 ; R5.1@70.477,76.454 v3@70.477,75.882
NetAUX_13: AUX.13 AUX.18 R5.2 U7.8 | length 15.6
  Top Layer w0.1: v1(68.425,75.565) AUX.18@68.428,75.568 ; U7.8@75.438,72.509 v1(75.438,72.517)
  L2 w0.1: v1(65.606,74.768) 66.229,74.145 66.79,74.145 v2(68.21,75.565) v1(68.425,75.565) ; v2(69.215,74.549) 70.943,72.821 70.943,72.518 71.121,72.34 71.373,72.34 71.55,72.517 v1(75.438,72.517)
  L3 w0.1: v2(69.215,74.549) 68.21,75.554 v2(68.21,75.565) 68.072,75.703 68.072,75.946 69.139,77.013 v3(69.647,77.013)
  Bottom Layer w0.1: R5.2@69.469,76.454 69.469,76.835 v3(69.647,77.013)
NetAUX_15: AUX.15 AUX.16 R11.2 U7.9 | length 13.6
  Top Layer w0.1: AUX.15@65.606,75.168 AUX.16@68.428,75.168 69.58,75.168 v1(69.58,75.676)
  L2 w0.1: v2(69.342,75.692) v2@69.358,75.676 ; v1(69.58,75.676) v2@69.358,75.676 ; v1(75.438,73.009) 75.157,73.009 74.73,73.436 74.265,73.436 73.406,74.295 70.739,74.295 v2@69.358,75.676
  L3 w0.1: v2(69.342,75.692) 69.723,75.311 v3(69.723,74.803)
  Bottom Layer w0.1: R11.2@69.469,75.311 69.469,75.057 v3(69.723,74.803)
NetB_1: B.1 NT2_B.2 Q1_B.S Q2_B.D Q5_B.S Q6_B.D R9_B.2 | length 4.7
  Top Layer w0.1: 114.607,50.726 115.189,51.562 Q6_B.D@114.935,52.451
  Top Layer w0.127: R9_B.2@105.232,56.146 106.345,56.146 B.1@107.539,54.952
  other v1: 109.01,52.203 108.816,52.367 109.174,52.398 108.621,52.53 108.979,52.561 109.337,52.592 108.427,52.693 108.784,52.724 109.142,52.756 109.5,52.787 108.232,52.856 108.59,52.888 108.948,52.919 109.306,52.95 109.663,52.982 108.037,53.02 108.395,53.051 108.753,53.082 109.111,53.114 109.469,53.145 107.843,53.183 109.827,53.176 108.201,53.214 108.559,53.246 108.916,53.277 109.274,53.308 107.648,53.346 109.632,53.339 108.006,53.377 109.99,53.371 108.364,53.409 108.722,53.44 109.08,53.471 109.438,53.503 107.454,53.509 107.812,53.541 109.795,53.534 108.169,53.572 110.153,53.565 108.527,53.603 108.885,53.635 107.259,53.673 109.243,53.666 107.617,53.704 109.601,53.697 109.959,53.729 107.975,53.735 108.333,53.767 110.316,53.76 108.691,53.798 109.048,53.829 107.065,53.836 109.406,53.861 107.422,53.867 107.78,53.899 109.764,53.892 108.138,53.93 110.122,53.923 108.496,53.961 110.48,53.954 106.87,53.999 108.854,53.993 107.228,54.031 109.212,54.024 107.586,54.062 109.569,54.055 109.927,54.086 107.944,54.093 108.301,54.124 110.285,54.118 106.675,54.163 108.659,54.156 110.643,54.149 109.017,54.187 107.033,54.194 107.391,54.225 109.375,54.218 107.749,54.256 109.733,54.25 108.107,54.288 110.091,54.281 110.448,54.312 106.481,54.326 108.465,54.319 106.839,54.357 108.822,54.35 110.806,54.344 107.197,54.388 109.18,54.382 109.538,54.413 107.554,54.42 109.896,54.444 107.912,54.451 108.27,54.482 110.254,54.476 106.644,54.52 108.628,54.514 110.612,54.507 108.986,54.545 110.97,54.538 107.002,54.552 107.36,54.583 109.344,54.576 107.718,54.614 109.701,54.608 108.075,54.646 110.059,54.639 110.417,54.67 108.433,54.677 106.807,54.715 108.791,54.708 110.775,54.701 107.165,54.746 109.149,54.739 111.133,54.733 109.507,54.771 107.523,54.778 107.881,54.809 109.865,54.802 108.239,54.84 110.223,54.833 108.597,54.871 110.58,54.865 110.938,54.896 106.971,54.909 108.954,54.903 111.296,54.927 107.328,54.941 109.312,54.934 107.686,54.972 109.67,54.965 108.044,55.003 110.028,54.997 110.386,55.028 108.402,55.035 108.76,55.066 110.744,55.059 107.134,55.104 109.118,55.097 111.101,55.091 109.476,55.129 111.459,55.122 107.492,55.135 107.85,55.167 109.833,55.16 108.207,55.198 110.191,55.191 108.565,55.229 110.549,55.223 110.907,55.254 108.923,55.261 107.297,55.299 109.281,55.292 111.265,55.285 107.655,55.33 109.639,55.323 111.623,55.316 109.997,55.355 108.013,55.361 108.371,55.393 110.354,55.386 108.729,55.424 110.712,55.417 109.086,55.455 111.07,55.448 111.428,55.48 107.46,55.493 109.444,55.486 111.786,55.511 107.818,55.525 109.802,55.518 108.176,55.556 110.16,55.549 108.534,55.587 110.518,55.58 110.876,55.612 108.892,55.618 109.25,55.65 111.233,55.643 107.624,55.688 109.608,55.681 111.591,55.674 109.965,55.712 111.949,55.706 107.982,55.719 108.339,55.75 110.323,55.744 108.697,55.782 110.681,55.775 109.055,55.813 111.039,55.806 111.397,55.838 109.413,55.844 107.787,55.882 109.771,55.876 111.755,55.869 108.145,55.914 110.129,55.907 112.112,55.9 110.486,55.938 108.503,55.945 108.861,55.976 110.844,55.97 109.218,56.008 111.202,56.001 109.576,56.039 111.56,56.032 109.934,56.07 111.918,56.063 107.95,56.077 112.276,56.095 108.308,56.108 110.292,56.102 108.666,56.14 110.65,56.133 109.024,56.171 111.008,56.164 111.365,56.195 109.382,56.202 109.739,56.233 111.723,56.227 108.114,56.272 110.097,56.265 112.081,56.258 110.455,56.296 112.439,56.289 108.471,56.303 108.829,56.334 110.813,56.327 109.187,56.365 111.171,56.359 109.545,56.397 111.529,56.39 111.887,56.421 109.903,56.428 108.277,56.466 110.261,56.459 112.244,56.453 108.635,56.497 110.618,56.491 112.602,56.484 110.976,56.522 108.992,56.529 109.35,56.56 111.334,56.553 109.708,56.591 111.692,56.585 110.066,56.623 112.05,56.616 110.424,56.654 112.408,56.647 108.44,56.661 112.765,56.679 108.798,56.692 110.782,56.685 109.156,56.723 111.14,56.717 109.514,56.755 111.497,56.748 111.855,56.779 109.871,56.786 110.229,56.817 112.213,56.81 108.603,56.855 110.587,56.849 112.571,56.842 110.945,56.88 108.961,56.887 109.319,56.918 111.303,56.911 109.677,56.949 111.661,56.942 110.035,56.98 112.018,56.974 112.376,57.005 110.393,57.012 108.767,57.05 110.75,57.043 109.124,57.081 111.108,57.074 111.466,57.106 109.482,57.112 111.824,57.137 109.84,57.144 110.198,57.175 112.182,57.168 110.556,57.206 110.914,57.238 108.93,57.244 109.288,57.276 111.271,57.269 109.646,57.307 111.629,57.3 110.003,57.338 111.987,57.332 110.361,57.37 110.719,57.401 109.093,57.439 111.077,57.432 111.435,57.464 109.451,57.47 109.809,57.502 111.793,57.495 110.167,57.533 110.524,57.564 110.882,57.596 109.256,57.634 111.24,57.627 109.614,57.665 111.598,57.658 109.972,57.696 110.33,57.727 110.688,57.759 111.046,57.79 111.403,57.821 109.42,57.828 109.778,57.859 110.135,57.891 110.493,57.922 110.851,57.953 111.209,57.985 109.583,58.023 109.941,58.054 110.299,58.085 110.656,58.117 111.014,58.148 109.746,58.217 110.104,58.249 110.462,58.28 110.82,58.311 109.909,58.412 110.267,58.443 110.625,58.474 110.073,58.606 110.431,58.638
  other v2: 109.01,52.203 108.816,52.367 109.174,52.398 108.621,52.53 108.979,52.561 109.337,52.592 108.427,52.693 108.784,52.724 109.142,52.756 109.5,52.787 108.232,52.856 108.59,52.888 108.948,52.919 109.306,52.95 109.663,52.982 108.037,53.02 108.395,53.051 108.753,53.082 109.111,53.114 109.469,53.145 107.843,53.183 109.827,53.176 108.201,53.214 108.559,53.246 108.916,53.277 109.274,53.308 107.648,53.346 109.632,53.339 108.006,53.377 109.99,53.371 108.364,53.409 108.722,53.44 109.08,53.471 109.438,53.503 107.454,53.509 107.812,53.541 109.795,53.534 108.169,53.572 110.153,53.565 108.527,53.603 108.885,53.635 107.259,53.673 109.243,53.666 107.617,53.704 109.601,53.697 109.959,53.729 107.975,53.735 108.333,53.767 110.316,53.76 108.691,53.798 109.048,53.829 107.065,53.836 109.406,53.861 107.422,53.867 107.78,53.899 109.764,53.892 108.138,53.93 110.122,53.923 108.496,53.961 110.48,53.954 106.87,53.999 108.854,53.993 107.228,54.031 109.212,54.024 107.586,54.062 109.569,54.055 109.927,54.086 107.944,54.093 108.301,54.124 110.285,54.118 106.675,54.163 108.659,54.156 110.643,54.149 109.017,54.187 107.033,54.194 107.391,54.225 109.375,54.218 107.749,54.256 109.733,54.25 108.107,54.288 110.091,54.281 110.448,54.312 106.481,54.326 108.465,54.319 106.839,54.357 108.822,54.35 110.806,54.344 107.197,54.388 109.18,54.382 109.538,54.413 107.554,54.42 109.896,54.444 107.912,54.451 108.27,54.482 110.254,54.476 106.644,54.52 108.628,54.514 110.612,54.507 108.986,54.545 110.97,54.538 107.002,54.552 107.36,54.583 109.344,54.576 107.718,54.614 109.701,54.608 108.075,54.646 110.059,54.639 110.417,54.67 108.433,54.677 106.807,54.715 108.791,54.708 110.775,54.701 107.165,54.746 109.149,54.739 111.133,54.733 109.507,54.771 107.523,54.778 107.881,54.809 109.865,54.802 108.239,54.84 110.223,54.833 108.597,54.871 110.58,54.865 110.938,54.896 106.971,54.909 108.954,54.903 111.296,54.927 107.328,54.941 109.312,54.934 107.686,54.972 109.67,54.965 108.044,55.003 110.028,54.997 110.386,55.028 108.402,55.035 108.76,55.066 110.744,55.059 107.134,55.104 109.118,55.097 111.101,55.091 109.476,55.129 111.459,55.122 107.492,55.135 107.85,55.167 109.833,55.16 108.207,55.198 110.191,55.191 108.565,55.229 110.549,55.223 110.907,55.254 108.923,55.261 107.297,55.299 109.281,55.292 111.265,55.285 107.655,55.33 109.639,55.323 111.623,55.316 109.997,55.355 108.013,55.361 108.371,55.393 110.354,55.386 108.729,55.424 110.712,55.417 109.086,55.455 111.07,55.448 111.428,55.48 107.46,55.493 109.444,55.486 111.786,55.511 107.818,55.525 109.802,55.518 108.176,55.556 110.16,55.549 108.534,55.587 110.518,55.58 110.876,55.612 108.892,55.618 109.25,55.65 111.233,55.643 107.624,55.688 109.608,55.681 111.591,55.674 109.965,55.712 111.949,55.706 107.982,55.719 108.339,55.75 110.323,55.744 108.697,55.782 110.681,55.775 109.055,55.813 111.039,55.806 111.397,55.838 109.413,55.844 107.787,55.882 109.771,55.876 111.755,55.869 108.145,55.914 110.129,55.907 112.112,55.9 110.486,55.938 108.503,55.945 108.861,55.976 110.844,55.97 109.218,56.008 111.202,56.001 109.576,56.039 111.56,56.032 109.934,56.07 111.918,56.063 107.95,56.077 112.276,56.095 108.308,56.108 110.292,56.102 108.666,56.14 110.65,56.133 109.024,56.171 111.008,56.164 111.365,56.195 109.382,56.202 109.739,56.233 111.723,56.227 108.114,56.272 110.097,56.265 112.081,56.258 110.455,56.296 112.439,56.289 108.471,56.303 108.829,56.334 110.813,56.327 109.187,56.365 111.171,56.359 109.545,56.397 111.529,56.39 111.887,56.421 109.903,56.428 108.277,56.466 110.261,56.459 112.244,56.453 108.635,56.497 110.618,56.491 112.602,56.484 110.976,56.522 108.992,56.529 109.35,56.56 111.334,56.553 109.708,56.591 111.692,56.585 110.066,56.623 112.05,56.616 110.424,56.654 112.408,56.647 108.44,56.661 112.765,56.679 108.798,56.692 110.782,56.685 109.156,56.723 111.14,56.717 109.514,56.755 111.497,56.748 111.855,56.779 109.871,56.786 110.229,56.817 112.213,56.81 108.603,56.855 110.587,56.849 112.571,56.842 110.945,56.88 108.961,56.887 109.319,56.918 111.303,56.911 109.677,56.949 111.661,56.942 110.035,56.98 112.018,56.974 112.376,57.005 110.393,57.012 108.767,57.05 110.75,57.043 109.124,57.081 111.108,57.074 111.466,57.106 109.482,57.112 111.824,57.137 109.84,57.144 110.198,57.175 112.182,57.168 110.556,57.206 110.914,57.238 108.93,57.244 109.288,57.276 111.271,57.269 109.646,57.307 111.629,57.3 110.003,57.338 111.987,57.332 110.361,57.37 110.719,57.401 109.093,57.439 111.077,57.432 111.435,57.464 109.451,57.47 109.809,57.502 111.793,57.495 110.167,57.533 110.524,57.564 110.882,57.596 109.256,57.634 111.24,57.627 109.614,57.665 111.598,57.658 109.972,57.696 110.33,57.727 110.688,57.759 111.046,57.79 111.403,57.821 109.42,57.828 109.778,57.859 110.135,57.891 110.493,57.922 110.851,57.953 111.209,57.985 109.583,58.023 109.941,58.054 110.299,58.085 110.656,58.117 111.014,58.148 109.746,58.217 110.104,58.249 110.462,58.28 110.82,58.311 109.909,58.412 110.267,58.443 110.625,58.474 110.073,58.606 110.431,58.638
  other v3: 109.01,52.203 108.816,52.367 109.174,52.398 108.621,52.53 108.979,52.561 109.337,52.592 108.427,52.693 108.784,52.724 109.142,52.756 109.5,52.787 108.232,52.856 108.59,52.888 108.948,52.919 109.306,52.95 109.663,52.982 108.037,53.02 108.395,53.051 108.753,53.082 109.111,53.114 109.469,53.145 107.843,53.183 109.827,53.176 108.201,53.214 108.559,53.246 108.916,53.277 109.274,53.308 107.648,53.346 109.632,53.339 108.006,53.377 109.99,53.371 108.364,53.409 108.722,53.44 109.08,53.471 109.438,53.503 107.454,53.509 107.812,53.541 109.795,53.534 108.169,53.572 110.153,53.565 108.527,53.603 108.885,53.635 107.259,53.673 109.243,53.666 107.617,53.704 109.601,53.697 109.959,53.729 107.975,53.735 108.333,53.767 110.316,53.76 108.691,53.798 109.048,53.829 107.065,53.836 109.406,53.861 107.422,53.867 107.78,53.899 109.764,53.892 108.138,53.93 110.122,53.923 108.496,53.961 110.48,53.954 106.87,53.999 108.854,53.993 107.228,54.031 109.212,54.024 107.586,54.062 109.569,54.055 109.927,54.086 107.944,54.093 108.301,54.124 110.285,54.118 106.675,54.163 108.659,54.156 110.643,54.149 109.017,54.187 107.033,54.194 107.391,54.225 109.375,54.218 107.749,54.256 109.733,54.25 108.107,54.288 110.091,54.281 110.448,54.312 106.481,54.326 108.465,54.319 106.839,54.357 108.822,54.35 110.806,54.344 107.197,54.388 109.18,54.382 109.538,54.413 107.554,54.42 109.896,54.444 107.912,54.451 108.27,54.482 110.254,54.476 106.644,54.52 108.628,54.514 110.612,54.507 108.986,54.545 110.97,54.538 107.002,54.552 107.36,54.583 109.344,54.576 107.718,54.614 109.701,54.608 108.075,54.646 110.059,54.639 110.417,54.67 108.433,54.677 106.807,54.715 108.791,54.708 110.775,54.701 107.165,54.746 109.149,54.739 111.133,54.733 109.507,54.771 107.523,54.778 107.881,54.809 109.865,54.802 108.239,54.84 110.223,54.833 108.597,54.871 110.58,54.865 110.938,54.896 106.971,54.909 108.954,54.903 111.296,54.927 107.328,54.941 109.312,54.934 107.686,54.972 109.67,54.965 108.044,55.003 110.028,54.997 110.386,55.028 108.402,55.035 108.76,55.066 110.744,55.059 107.134,55.104 109.118,55.097 111.101,55.091 109.476,55.129 111.459,55.122 107.492,55.135 107.85,55.167 109.833,55.16 108.207,55.198 110.191,55.191 108.565,55.229 110.549,55.223 110.907,55.254 108.923,55.261 107.297,55.299 109.281,55.292 111.265,55.285 107.655,55.33 109.639,55.323 111.623,55.316 109.997,55.355 108.013,55.361 108.371,55.393 110.354,55.386 108.729,55.424 110.712,55.417 109.086,55.455 111.07,55.448 111.428,55.48 107.46,55.493 109.444,55.486 111.786,55.511 107.818,55.525 109.802,55.518 108.176,55.556 110.16,55.549 108.534,55.587 110.518,55.58 110.876,55.612 108.892,55.618 109.25,55.65 111.233,55.643 107.624,55.688 109.608,55.681 111.591,55.674 109.965,55.712 111.949,55.706 107.982,55.719 108.339,55.75 110.323,55.744 108.697,55.782 110.681,55.775 109.055,55.813 111.039,55.806 111.397,55.838 109.413,55.844 107.787,55.882 109.771,55.876 111.755,55.869 108.145,55.914 110.129,55.907 112.112,55.9 110.486,55.938 108.503,55.945 108.861,55.976 110.844,55.97 109.218,56.008 111.202,56.001 109.576,56.039 111.56,56.032 109.934,56.07 111.918,56.063 107.95,56.077 112.276,56.095 108.308,56.108 110.292,56.102 108.666,56.14 110.65,56.133 109.024,56.171 111.008,56.164 111.365,56.195 109.382,56.202 109.739,56.233 111.723,56.227 108.114,56.272 110.097,56.265 112.081,56.258 110.455,56.296 112.439,56.289 108.471,56.303 108.829,56.334 110.813,56.327 109.187,56.365 111.171,56.359 109.545,56.397 111.529,56.39 111.887,56.421 109.903,56.428 108.277,56.466 110.261,56.459 112.244,56.453 108.635,56.497 110.618,56.491 112.602,56.484 110.976,56.522 108.992,56.529 109.35,56.56 111.334,56.553 109.708,56.591 111.692,56.585 110.066,56.623 112.05,56.616 110.424,56.654 112.408,56.647 108.44,56.661 112.765,56.679 108.798,56.692 110.782,56.685 109.156,56.723 111.14,56.717 109.514,56.755 111.497,56.748 111.855,56.779 109.871,56.786 110.229,56.817 112.213,56.81 108.603,56.855 110.587,56.849 112.571,56.842 110.945,56.88 108.961,56.887 109.319,56.918 111.303,56.911 109.677,56.949 111.661,56.942 110.035,56.98 112.018,56.974 112.376,57.005 110.393,57.012 108.767,57.05 110.75,57.043 109.124,57.081 111.108,57.074 111.466,57.106 109.482,57.112 111.824,57.137 109.84,57.144 110.198,57.175 112.182,57.168 110.556,57.206 110.914,57.238 108.93,57.244 109.288,57.276 111.271,57.269 109.646,57.307 111.629,57.3 110.003,57.338 111.987,57.332 110.361,57.37 110.719,57.401 109.093,57.439 111.077,57.432 111.435,57.464 109.451,57.47 109.809,57.502 111.793,57.495 110.167,57.533 110.524,57.564 110.882,57.596 109.256,57.634 111.24,57.627 109.614,57.665 111.598,57.658 109.972,57.696 110.33,57.727 110.688,57.759 111.046,57.79 111.403,57.821 109.42,57.828 109.778,57.859 110.135,57.891 110.493,57.922 110.851,57.953 111.209,57.985 109.583,58.023 109.941,58.054 110.299,58.085 110.656,58.117 111.014,58.148 109.746,58.217 110.104,58.249 110.462,58.28 110.82,58.311 109.909,58.412 110.267,58.443 110.625,58.474 110.073,58.606 110.431,58.638
NetC1_1: C1.1 C2.1 C3.1 C4.1 TOF1.1 TOF1.5 TOF1.11 U2.5 | length 14.1
  Top Layer w0.254: U2.5@92.991,68.961 93.017,68.987 C1.1@94.488,68.987 94.761,68.987 94.935,69.161 95.311,69.161 95.425,69.047 95.72,69.342 ; TOF1.11@95.72,68.656 95.72,69.342 ; C2.1@95.859,69.85 95.72,69.711 95.72,69.342 ; TOF1.5@97.32,65.456 97.32,65.24 97.816,64.744 ; C3.1@97.816,64.389 97.816,64.744 ; 95.72,69.342 95.809,69.253 97.32,69.253 TOF1.1@97.32,68.656 97.37,68.606 C4.1@98.552,68.606 99.161,68.606 99.161,66.91 98.86,66.609 98.86,65.706 97.898,64.744 97.816,64.744
NetC1_A_1: C1_A.1 R3_A.S1 U1.11 | length 42
  Top Layer w0.127: C1_A.1@82.778,72.979 83,73.2 v1(83,73.533)
  Top Layer w0.254: C1_A.1@82.778,72.979 82.778,73.312 v1(83,73.533) U1.11@83.704,74.238 ; R3_A.S1@99.381,41.725 v1(99.695,42.164)
  L2 w0.127: v1(83,73.533) 83.312,73.533 83.805,73.04 83.784,73.018 83.784,72.778 83.954,72.608 84.194,72.608 84.216,72.629 87.757,69.088 87.757,59.944 91.948,55.753 91.948,50.038 98.171,43.815 99.06,43.815 99.568,43.307
  L2 w0.254: 99.568,43.307 99.695,43.18 v1(99.695,42.164)
NetC1_A_2: C1_A.2 R3_A.S2 U1.12 | length 39.6
  Top Layer w0.254: 84.058,72.39 U1.12@84.058,73.884 ; v1(100.457,43.053) R3_A.S2@100.811,43.589
  L2 w0.127: v1(84.074,72.898) 84.328,72.898 88.138,69.088 88.138,59.944 92.202,55.88 92.202,50.165 98.171,44.196 99.314,44.196 99.822,43.688
  L2 w0.254: 99.822,43.688 v1(100.457,43.053)
NetC1_B_1: C1_B.1 R3_B.S1 U1.14 | length 39.9
  Top Layer w0.254: U1.14@86.356,74.238 86.356,74.075 v1(87.024,73.406) C1_B.1@87.451,72.979 C1_B.1@87.477,72.979 ; v1(108.458,44.45) 108.685,44.223 R3_B.S1@108.685,44.168
  L2 w0.127: v1(87.024,73.406) 87.024,71.853 89.662,69.215 89.662,65.278 108.458,46.482 v1(108.458,44.45)
NetC1_B_2: C1_B.2 R3_B.S2 U1.13 | length 38.9
  Top Layer w0.254: U1.13@86.002,73.884 v1(86.002,72.898) 86.002,72.448 C1_B.2@86.461,71.989 C1_B.2@86.816,71.989 ; R3_B.S2@107.255,46.032 107.255,46.029 v1(107.521,45.762)
  L2 w0.127: v1(86.002,72.898) 86.002,72.367 89.281,69.088 89.281,65.151 107.521,46.911 v1(107.521,45.762)
NetC1_C_1: C1_C.1 R3_C.S1 U1.21 | length 44.3
  Top Layer w0.1: v1(121.793,62.611) 122.058,62.876 R3_C.S1@122.212,62.876
  Top Layer w0.254: U1.21@88.831,76.712 v1(89.744,75.799)
  L2 w0.127: v1(89.744,75.799) 90.317,75.799 95.631,70.485 104.394,70.485 v2(104.521,70.612) ; v2(104.648,68.072) 104.648,66.167 110.363,60.452 120.643,60.452 121.793,61.602 v1(121.793,62.611)
  L3 w0.127: v2(104.521,70.612) 104.521,68.199 v2(104.648,68.072)
NetC1_C_2: C1_C.2 R3_C.S2 U1.22 | length 42.4
  Top Layer w0.1: R3_C.S2@120.083,61.883 120.303,61.883 v1(120.523,62.103)
  Top Layer w0.254: U1.22@89.184,77.066 89.702,76.548 91.02,76.548 C1_C.2@91.261,76.789 ; 119.482,61.468 119.888,61.468 120.015,61.341
  L2 w0.127: v1(90.805,76.581) 90.805,76.484 94.862,72.426 96.296,70.993 v2(105.029,70.993) ; v2(105.029,68.199) 105.029,66.675 110.363,61.341 119.761,61.341 v1(120.523,62.103)
  L3 w0.127: v2(105.029,68.199) v2(105.029,70.993)
NetC8_1: C8.1 U1.36 | length 2.1
  Top Layer w0.1: C8.1@84.53,85.07 85.994,83.607 U1.36@86.002,83.607 U1.36@86.035,83.64